# Altium PCB uTCA_MCH_PCB3.pcbdoc (part 8 of 25) (continued)
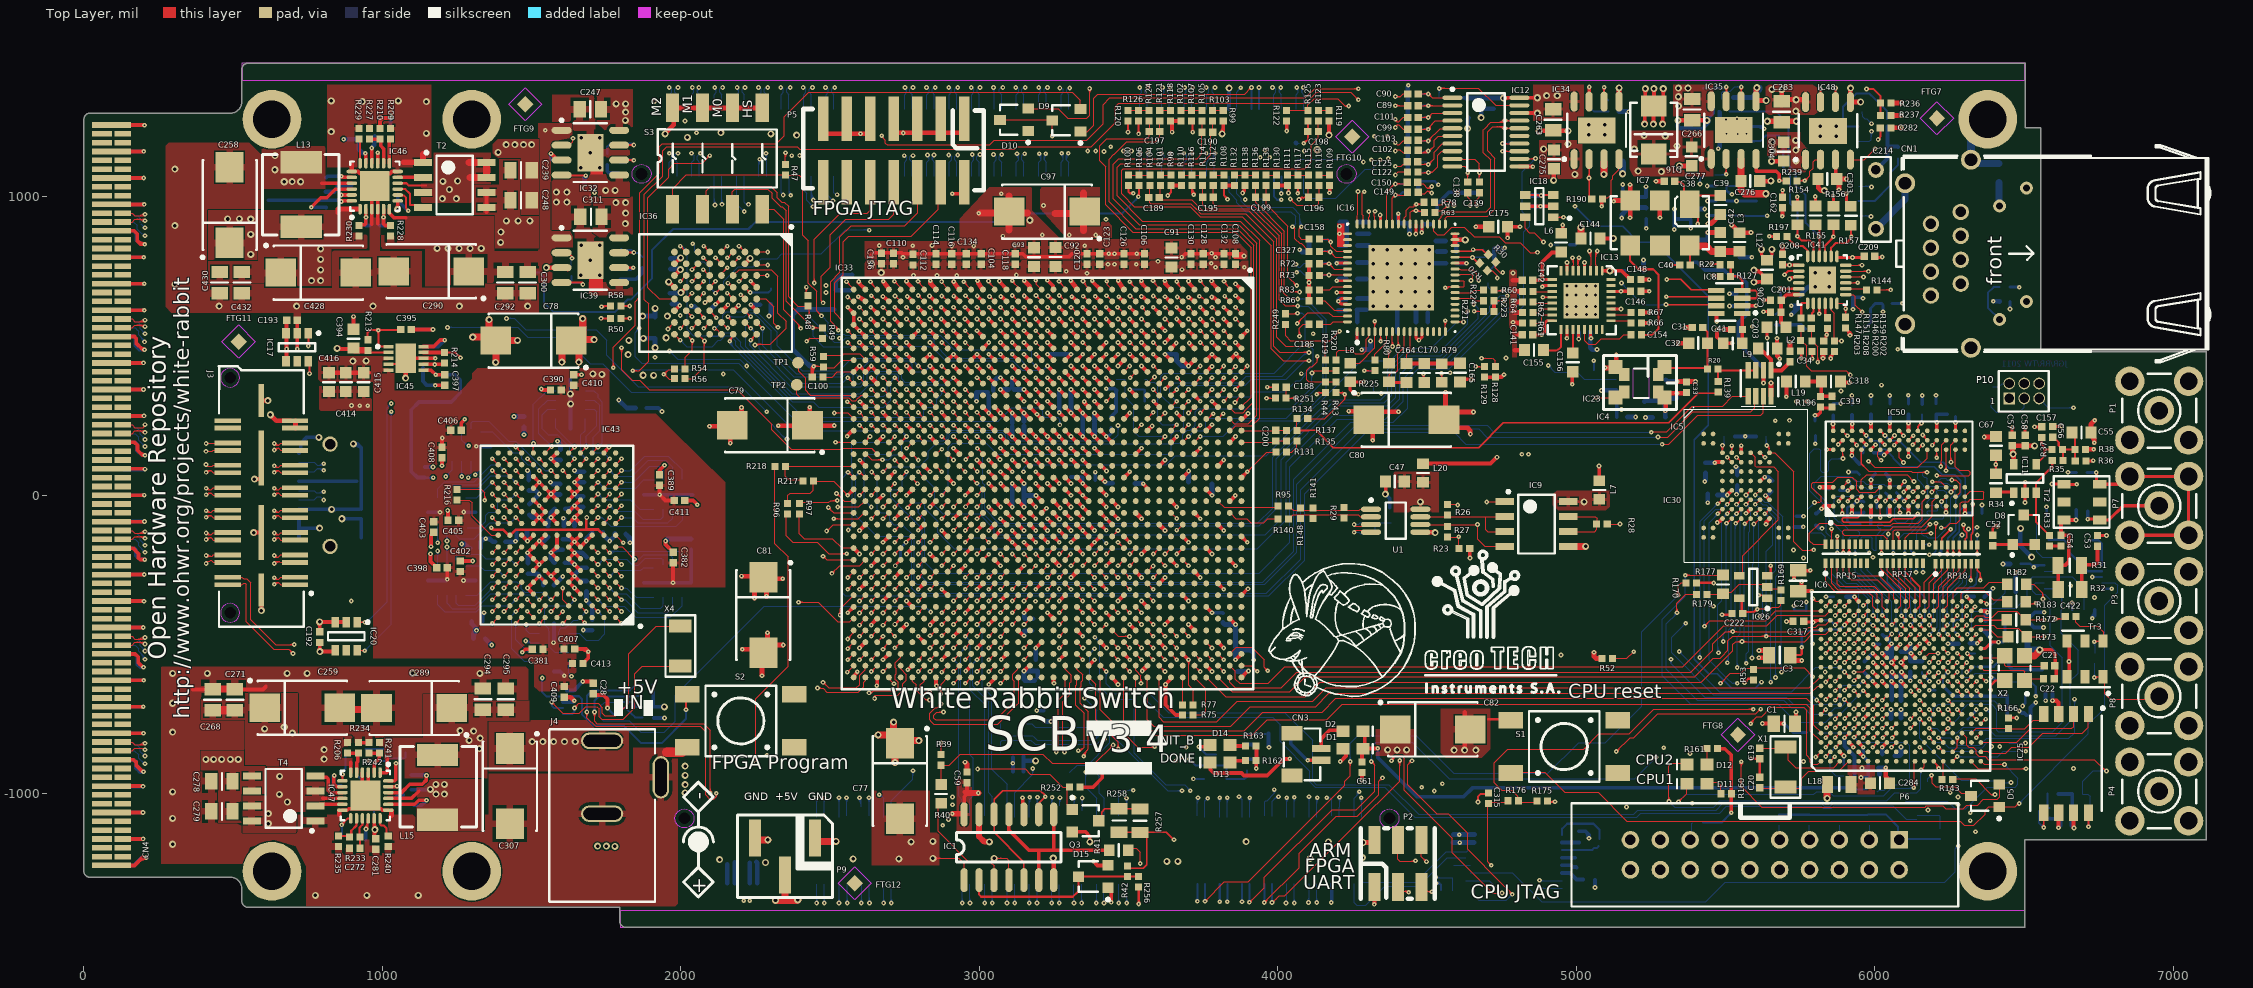
[diagram p0: Top Layer view]
## Nets (pads, with @x,y where several pads share a name; then routed paths per layer and width w, separated by ;. In a path a pad name is that pad's centre, name@x,y a point inside that pad or via, vN(x,y) a via of type N, cw(c..) or ccw(c..) an arc to the next point about the centre after c; other vN are vias at no path point) (continued)
  Bottom Layer w3.94: v1@5524.05,-450.8 ccw(c5524.77,-440.78) 5531.88,-447.89 ; v1@5525.28,-454.49 5531.88,-447.89 ; v1@5529.44,-455.66 cw(c5538.1,-454.11) 5531.88,-447.89 ; v1@5529.49,-98.47 cw(c5523.73,-104.23) 5531.88,-104.23 ; 5531.88,-112.88 cw(c5552.25,-112.88) v1@5537.84,-98.47 ; 5531.88,-103.37 cw(c5542.74,-103.37) v1@5535.06,-95.69 ; v1@5531.88,-95.07 5531.88,-447.89
  other v1: 5533.67,-94.3
EBI1_D4: IC6.B15 IC30.K6 IC33.D34 | length 2744.3
  Top Layer w3.94: IC33.D34@3759.84,-610.24 3824.76,-675.16 4091.38,-675.16 4139.88,-626.65 5418.62,-626.65 5523.62,-521.65 5523.62,-500 5533.46,-490.16 v1(5555.12,-490.16) 5764.84,-490.16 5789,-466 5835.35,-466 IC6.B15@5851.1,-450.25 ; v1@5550.94,-494.33 ccw(c5540.86,-504.41) 5540.86,-490.16 ccw(c5540.86,-475.9) v1@5550.94,-485.98 ; v1@5559.29,-494.33 cw(c5569.38,-504.41) 5569.38,-490.16 cw(c5569.38,-475.9) v1@5559.29,-485.98 ; v1@5564.18,-93.6 ccw(c5564.18,-84.07) 5570.92,-90.81 ; v1@5564.18,-89.66 ccw(c5564.18,-70.63) 5577.64,-84.09 ; v1@5568.13,-93.6 IC30.K6@5583.88,-77.85 ; v1@5570.09,-95.57 cw(c5579.56,-95.57) 5572.86,-88.87
  Bottom Layer w3.94: v1@5557.44,-487.68 5562.39,-482.73 v1@5562.39,-97.56 ; v1@5560,-99.74 cw(c5554.24,-105.5) 5562.39,-105.5 ; 5562.39,-114.15 cw(c5582.76,-114.15) v1@5568.36,-99.74 ; 5562.39,-104.64 cw(c5573.25,-104.64) v1@5565.57,-96.96 ; v1(5564.18,-95.57) v1@5564.18,-95.29
EBI1_D5: IC6.D14 IC30.J7 IC33.G30 | length 3160.8
  Top Layer w3.94: IC33.G30@3641.73,-452.76 v1(3661.42,-472.44) ; v1@3655.51,-472.44 ccw(c3641.25,-472.44) 3651.34,-462.36 ccw(c3661.42,-452.28) v1@3661.42,-466.54 ; v1@5599.98,-61.75 IC30.J7@5615.37,-46.36 ; v1@5600.18,-56.04 ccw(c5600.18,-42.73) 5609.59,-52.14 ; v1@5606.08,-61.95 cw(c5621.29,-61.95) IC30.J7@5610.53,-51.19 ; v1(5898.33,-497.49) IC6.D14@5914.09,-481.75 ; v1@5898.33,-491.59 ccw(c5898.33,-477.33) 5908.42,-487.41 ccw(c5918.5,-497.49) v1@5904.24,-497.49
  MidLayer1 w3.94: v1@3657.24,-476.62 cw(c3647.16,-486.7) 3661.42,-486.7 cw(c3675.67,-486.7) v1@3665.59,-476.62 ; v1(3661.42,-472.44) 3661.42,-491.93 3743.49,-574 3960.02,-574 ; 3960.04,-573.98 3971.46,-573.98 ; 3971.48,-574 5176.49,-574 5344.98,-405.51 5456.7,-405.51 5466.34,-415.15 5603.08,-415.15 ; 5605.53,-412.7 ccw(c5598.01,-405.18) v1@5608.64,-405.18 ; v1@5614.1,-411.07 ccw(c5613.03,-425.1) 5603.08,-415.15 ; v1@5614.55,-404.88 5613.35,-404.88 5603.08,-415.15 ; v1@5616.23,-406.21 cw(c5623.19,-410.47) 5623.19,-402.31 ; v1@5619.59,-408.27 cw(c5630.22,-414.78) 5630.22,-402.31 ; v1@5620.29,-402.31 5630.22,-402.31 ; v1(5898.33,-497.49) 5915,-480.83 5915,-365 5905,-355 5818.42,-355 5783.67,-389.75 5642.78,-389.75 5630.22,-402.31 ; v1@5898.33,-491.59 ccw(c5898.33,-477.33) 5908.42,-487.41 ccw(c5918.5,-497.49) v1@5904.24,-497.49
  Bottom Layer w3.94: v1@5600.18,-67.85 cw(c5600.18,-81.14) 5609.58,-71.75 ; v1@5600.58,-62.75 5611.7,-73.87 5611.7,-308.62 5624.74,-321.66 5624.74,-397.86 ; v1@5606.08,-61.95 ccw(c5621.3,-61.95) 5610.54,-72.71 ; v1@5616.6,-399.64 ccw(c5619.28,-392.4) 5624.74,-397.86 ; v1@5617.09,-405.51 5624.74,-397.86 ; v1@5620.46,-405.18 cw(c5627.78,-405.18) 5622.6,-400
  other v1: 5614.55,-405.18 5600.18,-61.95
EBI1_D6: IC6.C14 IC30.K7 IC33.K28 | length 3401.5
  Top Layer w3.94: IC33.K28@3525.59,-375.98 v1(3543.31,-393.7) ; v1@3537.4,-393.7 ccw(c3523.14,-393.7) 3533.23,-383.62 ccw(c3543.31,-373.54) v1@3543.31,-387.8 ; v1@5594.7,-94.29 ccw(c5594.7,-84.07) 5601.93,-91.29 ; v1@5594.7,-90.35 ccw(c5594.7,-70.62) 5608.65,-84.57 ; v1@5599.63,-93.6 IC30.K7@5615.37,-77.85 ; v1@5600.61,-96.26 cw(c5609.4,-96.26) 5603.18,-90.04 ; v1(5866.85,-497.5) IC6.C14@5882.6,-481.75 ; v1@5866.85,-491.59 ccw(c5866.85,-477.33) 5876.93,-487.41 ccw(c5887.01,-497.5) v1@5872.76,-497.5
  MidLayer1 w3.94: v1@3543.31,-399.61 cw(c3543.31,-413.86) 3553.39,-403.78 cw(c3563.47,-393.7) v1@3549.21,-393.7 ; v1(3543.31,-393.7) 3561.02,-411.42 3561.02,-628.66 3618.23,-685.87 5243.27,-685.87 5370.08,-559.06 5483.5,-559.06 5497.28,-545.28 v1(5588.58,-545.28) 5601.09,-557.78 5728.22,-557.78 5772.65,-513.35 5851,-513.35 v1(5866.85,-497.5) ; v1@5584.41,-549.45 ccw(c5574.33,-559.53) 5574.33,-545.28 ccw(c5574.33,-531.02) v1@5584.41,-541.1 ; v1@5588.58,-551.18 cw(c5588.58,-565.44) 5598.66,-555.36 cw(c5608.75,-545.28) v1@5594.49,-545.28 ; v1@5860.94,-497.5 cw(c5846.69,-497.5) 5856.77,-507.58 cw(c5866.85,-517.66) v1@5866.85,-503.4
  Bottom Layer w3.94: v1@5584.41,-541.1 ccw(c5569.82,-526.51) 5590.45,-526.51 ; v1@5587.19,-543.88 ccw(c5579.32,-536.02) 5590.45,-536.02 ; v1(5588.58,-545.28) 5590.45,-543.41 5590.45,-230.98 5594.84,-226.59 5594.84,-110.47 5594.72,-110.35 ; 5590.45,-535.53 ccw(c5598.33,-535.53) v1@5592.76,-541.1 ; v1@5590.57,-100.48 cw(c5580.9,-110.35) 5594.72,-110.35 ; v1@5594.72,-94.18 5594.72,-110.35 ; v1@5598.85,-100.46 ccw(c5608.62,-110.35) 5594.72,-110.35
  other v1: 5594.7,-96.26
EBI1_D7: IC6.A15 IC30.J8 IC33.C34 | length 2720.4
  Top Layer w3.94: IC33.C34@3799.21,-610.24 3847.72,-658.74 4040.28,-658.74 4090.94,-608.07 5396.65,-608.07 5458.66,-546.06 5481.5,-546.06 5488.19,-539.37 ; 5488.19,-539.29 5507.87,-519.61 5507.87,-488.19 5524.06,-472 v1(5636,-472) ; v1@5631.82,-476.18 ccw(c5621.74,-486.26) 5621.74,-472 ccw(c5621.74,-457.74) v1@5631.82,-467.82 ; v1@5631.87,-62.85 v1(5631.12,-62.1) IC30.J8@5646.87,-46.36 ; v1@5631.87,-56.95 ccw(c5631.87,-46.3) 5639.4,-53.83 ; v1@5633.1,-474.9 v1(5636,-472) ; v1@5637.77,-62.85 cw(c5655.64,-62.85) IC30.J8@5643.01,-50.22 ; v1@5640.18,-476.18 cw(c5650.26,-486.26) 5650.26,-472 cw(c5650.26,-457.74) v1@5640.18,-467.82 ; IC6.A15@5819.61,-450.25 5788.75,-450.25 5767,-472 v1(5636,-472)
  Bottom Layer w3.94: v1@5631.82,-467.82 ccw(c5622.16,-458.16) 5635.83,-458.16 ; v1@5631.87,-68.76 cw(c5631.87,-91.38) 5647.86,-75.38 ; v1@5631.87,-64.82 cw(c5631.87,-77.94) 5641.14,-68.66 ; 5635.83,-457.32 ccw(c5650.68,-457.32) v1@5640.18,-467.82 ; v1(5636,-472) 5635.83,-471.83 5635.83,-187.44 5657.2,-166.07 ; v1@5636.91,-64.43 5657.3,-84.82 5657.3,-166.59 ; v1@5637.77,-62.85 ccw(c5643.67,-62.85) 5639.5,-67.02
EBI1_D8: IC6.B14 IC30.H3 IC33.J32 | length 3252.7
  Top Layer w3.94: IC33.J32@3562.99,-531.5 v1(3582.68,-551.18) ; v1@3576.77,-551.18 ccw(c3562.51,-551.18) 3572.6,-541.1 ccw(c3582.68,-531.02) v1@3582.68,-545.28 ; v1@5473.64,-26.67 ccw(c5473.64,-17.16) 5480.36,-23.89 ; v1@5473.64,-22.73 ccw(c5473.64,-3.72) IC30.H3@5487.08,-17.17 ; v1@5475.61,-28.64 IC30.H3@5489.39,-14.86 ; v1@5479.55,-28.64 cw(c5489.05,-28.64) 5482.33,-21.92 ; v1(5835.34,-497.49) IC6.B14@5851.1,-481.75 ; v1@5835.34,-491.59 ccw(c5835.34,-477.33) 5845.42,-487.41 ccw(c5855.51,-497.49) v1@5841.25,-497.49
  MidLayer1 w3.94: v1@3578.5,-555.36 cw(c3568.42,-565.44) 3582.68,-565.44 cw(c3596.93,-565.44) v1@3586.85,-555.36 ; v1(3582.68,-551.18) 3582.68,-623.15 3630.28,-670.75 5232.8,-670.75 5360.24,-543.31 v1(5413.39,-543.31) 5486.22,-543.31 5507.73,-521.8 5582.2,-521.8 5600,-504 5664,-504 5690.78,-477.22 5815.07,-477.22 v1(5835.34,-497.49) ; v1@5409.21,-547.48 ccw(c5399.13,-557.56) 5399.13,-543.31 ccw(c5399.13,-529.05) v1@5409.21,-539.13 ; v1@5417.56,-547.48 cw(c5427.64,-557.56) 5427.64,-543.31 cw(c5427.64,-529.05) v1@5417.56,-539.13 ; v1@5829.44,-497.49 ccw(c5815.18,-497.49) 5825.26,-487.41 ccw(c5835.34,-477.33) v1@5835.34,-491.59
  Bottom Layer w3.94: v1@5409.21,-539.13 ccw(c5396.75,-526.67) 5414.37,-526.67 ; v1@5414.37,-542.32 5414.37,-86.85 v1@5474.98,-26.24 ; 5414.37,-531.43 ccw(c5425.27,-531.43) v1@5417.56,-539.13 ; 5461.74,-39.47 cw(c5473.64,-51.37) v1@5473.64,-34.54 ; 5464.31,-36.91 ccw(c5456.04,-28.64) v1@5467.73,-28.64
  other v1: 5473.64,-28.64
EBI1_D9: IC6.D13 IC30.J3 IC33.M32 | length 3673.8
  Top Layer w3.94: IC33.M32@3444.88,-531.5 v1(3464.57,-551.18) ; v1@3458.66,-551.18 ccw(c3444.4,-551.18) 3454.49,-541.1 ccw(c3464.57,-531.02) v1@3464.57,-545.28 ; v1(5473.64,-62.1) IC30.J3@5489.39,-46.36 ; v1@5473.64,-56.2 ccw(c5473.64,-41.94) 5483.72,-52.02 ccw(c5493.8,-62.1) v1@5479.55,-62.1 ; v1(5898.33,-528.99) IC6.D13@5914.09,-513.24 ; v1@5898.33,-523.09 ccw(c5898.33,-508.83) 5908.42,-518.91 ccw(c5918.5,-528.99) v1@5904.24,-528.99
  MidLayer1 w3.94: v1@3460.39,-555.36 cw(c3455.06,-560.69) 3462.6,-560.69 cw(c3474.07,-560.69) v1@3465.96,-552.57 ; 3462.6,-570.19 cw(c3483.58,-570.19) v1@3468.74,-555.36 ; v1@3462.6,-549.21 3462.6,-602.36 3484.25,-624.02 3484.25,-663.39 3560.47,-739.61 3585.08,-764.21 5286.97,-764.21 5436.2,-614.98 5526.4,-614.98 v1@5539.36,-627.94 ; 5527.88,-616.46 cw(c5514.42,-629.92) v1@5533.45,-629.92 ; 5532.65,-621.24 ccw(c5539.36,-614.53) v1@5539.36,-624.01 ; 5534.6,-623.18 cw(c5527.86,-629.92) v1@5537.39,-629.92 ; v1@5539.36,-635.83 cw(c5539.36,-650.08) 5549.44,-640 cw(c5559.52,-629.92) v1@5545.26,-629.92 ; v1(5539.36,-629.92) 5557.44,-648 5832.94,-648 5852,-628.94 5852,-616 5890,-578 5903,-578 5914,-567 5914,-544.66 v1(5898.33,-528.99) ; v1@5898.33,-534.9 cw(c5898.33,-549.15) 5908.42,-539.07 cw(c5918.5,-528.99) v1@5904.24,-528.99
  Bottom Layer w3.94: 5462.53,-74.67 ccw(c5449.96,-62.1) v1@5467.73,-62.1 ; 5466.04,-71.16 cw(c5473.64,-78.75) v1@5473.64,-68.01 ; v1@5474.1,-63.1 5444.88,-92.32 5444.88,-553.15 5506.31,-614.58 ; 5506.31,-614.66 5521.57,-629.92 v1(5539.36,-629.92) ; v1@5535.18,-634.1 ccw(c5525.1,-644.17) 5525.1,-629.92 ccw(c5525.1,-615.66) v1@5535.18,-625.74
EBI1_D10: IC6.C13 IC30.H5 IC33.K32 | length 3382.1
  Top Layer w3.94: IC33.K32@3523.62,-531.5 v1(3543.31,-551.18) ; v1@3537.4,-551.18 ccw(c3523.14,-551.18) 3533.23,-541.1 ccw(c3543.31,-531.02) v1@3543.31,-545.28 ; v1(5536.63,-30.61) IC30.H5@5552.38,-14.86 ; v1@5536.63,-24.7 ccw(c5536.63,-10.45) 5546.71,-20.53 ccw(c5556.8,-30.61) v1@5542.54,-30.61 ; v1@5866.85,-528.99 IC6.C13@5882.6,-513.24 ; v1@5866.84,-523.09 ccw(c5866.84,-508.8) 5876.94,-518.9 ; v1@5872.74,-528.99 cw(c5886.97,-528.99) 5876.91,-518.93
  MidLayer1 w3.94: 3529.87,-562.65 cw(c3543.31,-576.1) v1@3543.31,-557.09 ; 3534.62,-557.9 ccw(c3527.9,-551.18) v1@3537.4,-551.18 ; 3536.59,-555.93 cw(c3543.31,-562.65) v1@3543.31,-553.15 ; v1@3541.34,-551.18 3523.62,-568.9 3523.62,-637.8 3602.68,-716.85 5265.43,-716.85 5341.51,-640.77 5397.11,-585.18 5530.96,-585.18 ; v1@5533.52,-577.58 cw(c5524.59,-578.81) 5530.96,-585.18 ; v1@5538.56,-582.62 ccw(c5537.34,-591.55) 5530.96,-585.18 ; v1@5543.55,-580.95 cw(c5553.63,-591.03) 5553.63,-576.77 cw(c5553.63,-562.51) v1@5543.55,-572.6 ; v1@5860.93,-528.99 cw(c5846.68,-528.99) 5856.76,-539.07 cw(c5866.84,-549.15) v1@5866.84,-534.9 ; v1(5866.84,-528.99) 5846.41,-549.41 5827.59,-549.41 5800.23,-576.77 v1(5539.37,-576.77) 5530.96,-585.18
  Bottom Layer w3.94: v1@5535.19,-572.6 ccw(c5525.11,-562.51) 5539.37,-562.51 ccw(c5553.63,-562.51) v1@5543.55,-572.6 ; v1@5536.63,-36.51 cw(c5536.63,-50.77) 5546.71,-40.69 cw(c5556.8,-30.61) v1@5542.54,-30.61 ; v1(5536.63,-30.61) 5553.17,-47.15 5553.17,-77.56 5548.56,-82.17 5548.56,-464.69 5539.37,-473.88 v1(5539.37,-576.77)
EBI1_D11: IC6.E13 IC30.J5 IC33.J29 | length 3366.2
  Top Layer w3.94: IC33.J29@3562.99,-413.39 v1(3582.68,-433.07) ; v1@3576.77,-433.07 ccw(c3562.51,-433.07) 3572.6,-422.99 ccw(c3582.68,-412.91) v1@3582.68,-427.17 ; v1(5536.62,-62.1) IC30.J5@5552.37,-46.36 ; v1@5536.62,-56.2 ccw(c5536.62,-41.94) 5546.7,-52.02 ccw(c5556.78,-62.1) v1@5542.53,-62.1 ; v1(5929.84,-528.99) IC6.E13@5945.59,-513.24 ; v1@5929.84,-523.09 ccw(c5929.84,-508.83) 5939.92,-518.91 ccw(c5950.01,-528.99) v1@5935.75,-528.99
  MidLayer3 w3.94: v1@3580.71,-431.1 v1(3582.68,-433.07) 3604.33,-454.72 3604.33,-553.15 3622.44,-571.26 3630.71,-571.26 3643.7,-584.25 3643.7,-602.36 3663.43,-622.09 5444.84,-622.09 v1(5505.91,-561.02) 5538.93,-528 5561,-528 5587,-502 5674,-502 5685,-491 5764,-491 5786,-513 5913.85,-513 v1(5929.84,-528.99) ; v1@3582.68,-438.98 cw(c3582.68,-453.23) 3592.76,-443.15 cw(c3602.84,-433.07) v1@3588.58,-433.07 ; v1@5500,-561.02 cw(c5485.74,-561.02) 5495.82,-571.1 cw(c5505.91,-581.19) v1@5505.91,-566.93 ; v1@5505.91,-555.12 ccw(c5505.91,-540.86) 5515.99,-550.94 ccw(c5526.07,-561.02) v1@5511.81,-561.02 ; v1@5923.94,-528.99 ccw(c5909.68,-528.99) 5919.76,-518.91 ccw(c5929.84,-508.83) v1@5929.84,-523.09
  Bottom Layer w3.94: v1@5501.73,-556.85 ccw(c5482.14,-537.26) 5509.84,-537.26 ; v1@5504.51,-559.63 ccw(c5491.65,-546.77) 5509.84,-546.77 ; v1(5505.91,-561.02) 5509.84,-557.09 5509.84,-450.99 5518.22,-442.61 5518.22,-81.34 v1@5537.52,-62.04 ; 5525.95,-73.61 ccw(c5514.44,-62.1) v1@5530.72,-62.1 ; 5527.96,-71.6 cw(c5536.62,-80.25) v1@5536.62,-68.01
EBI1_D12: IC6.B13 IC30.H6 IC33.K33 | length 3241.8
  Top Layer w3.94: IC33.K33@3523.62,-570.87 3523.62,-586.61 3541.34,-604.33 v1(3541.34,-629.92) ; v1@3537.16,-625.75 ccw(c3527.08,-615.66) 3541.34,-615.66 ccw(c3555.6,-615.66) v1@3545.51,-625.75 ; v1(5568.13,-30.61) IC30.H6@5583.88,-14.86 ; v1@5568.13,-24.7 ccw(c5568.13,-10.45) 5578.21,-20.53 ccw(c5588.29,-30.61) v1@5574.03,-30.61 ; v1(5835.35,-528.99) IC6.B13@5851.1,-513.24 ; v1@5835.35,-523.09 ccw(c5835.35,-508.83) 5845.44,-518.91 ccw(c5855.52,-528.99) v1@5841.26,-528.99
  MidLayer1 w3.94: v1@3541.34,-635.83 cw(c3541.34,-650.08) 3551.42,-640 cw(c3561.5,-629.92) v1@3547.24,-629.92 ; v1@3547.24,-631.89 3547.24,-635.83 3611.54,-700.12 5254.61,-700.12 5378.76,-575.96 5512.09,-575.96 5526.23,-561.83 v1@5567.73,-561.83 ; 5551.83,-561.83 cw(c5551.83,-580.05) v1@5564.71,-567.17 ; 5557.43,-561.83 ccw(c5557.43,-551.54) v1@5564.71,-558.82 ; v1(5568.89,-562.99) 5580.2,-562.99 ; v1@5573.73,-566.37 cw(c5580.2,-570.87) 5580.2,-562.99 ; v1@5573.73,-559.62 ccw(c5580.2,-555.12) 5580.2,-562.99 ; v1@5831.18,-533.17 ccw(c5821.1,-543.25) 5821.1,-528.99 ccw(c5821.1,-514.74) v1@5831.18,-524.82 ; v1(5835.35,-528.99) 5814,-528.99 5775.21,-567.78 5584.98,-567.78 5580.2,-562.99
  Bottom Layer w3.94: v1@5564.71,-558.82 ccw(c5554.63,-548.73) 5568.89,-548.73 ccw(c5583.14,-548.73) v1@5573.06,-558.82 ; v1@5568.13,-36.51 cw(c5568.13,-53.81) 5580.36,-41.58 ; v1(5568.89,-562.99) 5568.89,-530.33 5576.69,-522.52 5576.69,-124.03 5580.02,-120.7 5580.02,-73.6 5583.6,-70.02 5583.6,-44.82 v1@5569.86,-31.08 ; v1@5574.03,-30.61 ccw(c5585.25,-30.61) 5577.32,-38.54
EBI1_D13: IC6.E12 IC30.G6 IC33.K29 | length 3540.6
  Top Layer w3.94: IC33.K29@3523.62,-413.39 v1(3543.31,-433.07) ; v1@3537.4,-433.07 ccw(c3523.14,-433.07) 3533.23,-422.99 ccw(c3543.31,-412.91) v1@3543.31,-427.17 ; v1(5568.12,0.89) IC30.G6@5583.87,16.64 ; v1@5568.12,6.79 ccw(c5568.12,21.05) 5578.2,10.97 ccw(c5588.28,0.89) v1@5574.02,0.89 ; v1(5929.84,-560.49) IC6.E12@5945.59,-544.74 ; v1@5929.84,-554.58 ccw(c5929.84,-540.33) 5939.92,-550.41 ccw(c5950.01,-560.49) v1@5935.75,-560.49
  MidLayer3 w3.94: v1@3543.31,-438.98 cw(c3543.31,-453.23) 3553.39,-443.15 cw(c3563.47,-433.07) v1@3549.21,-433.07 ; v1(3543.31,-433.07) 3562.99,-452.76 3562.99,-553.66 3656.16,-646.83 5435.87,-646.83 5472.47,-610.24 v1(5667.31,-610.24) 5749.77,-610.24 5816,-544 5913.35,-544 v1(5929.84,-560.49) ; v1@5663.14,-614.41 ccw(c5653.05,-624.49) 5653.05,-610.24 ccw(c5653.05,-595.98) v1@5663.14,-606.06 ; v1@5671.49,-614.41 cw(c5681.57,-624.49) 5681.57,-610.24 cw(c5681.57,-595.98) v1@5671.49,-606.06 ; v1@5923.94,-560.49 ccw(c5909.68,-560.49) 5919.76,-550.41 ccw(c5929.84,-540.33) v1@5929.84,-554.58
  Bottom Layer w3.94: v1@5568.12,-5.02 cw(c5568.12,-19.3) 5578.22,-9.2 ; v1(5568.12,0.89) 5583.88,-14.86 5607.05,-14.86 5624.5,-32.31 5636.37,-32.31 5679.79,-75.73 5679.79,-260.74 5667.31,-273.22 v1(5667.31,-610.24) ; v1@5574.02,0.89 ccw(c5588.25,0.89) 5578.19,-9.17 ; v1@5663.14,-606.06 ccw(c5653.05,-595.98) 5667.31,-595.98 ccw(c5681.57,-595.98) v1@5671.49,-606.06
EBI1_D14: IC6.D12 IC30.H7 IC33.K31 | length 3589.2
  Top Layer w3.94: IC33.K31@3523.62,-492.13 v1(3543.31,-511.81) ; v1@3537.4,-511.81 ccw(c3523.14,-511.81) 3533.23,-501.73 ccw(c3543.31,-491.65) v1@3543.31,-505.91 ; v1(5599.62,-30.61) IC30.H7@5615.37,-14.86 ; v1(5898.35,-560.49) IC6.D12@5914.09,-544.74 ; v1@5898.35,-554.58 ccw(c5898.35,-540.33) 5908.43,-550.41 ccw(c5918.51,-560.49) v1@5904.25,-560.49
  MidLayer1 w3.94: v1@3537.4,-511.81 cw(c3523.14,-511.81) 3533.23,-521.89 cw(c3543.31,-531.97) v1@3543.31,-517.72 ; v1(3543.31,-511.81) 3523.62,-531.5 3490.16,-531.5 3482.28,-539.37 3482.28,-590.55 3496.06,-604.33 3496.06,-649.61 3595.59,-749.13 5278.43,-749.13 5421.79,-605.77 5631.35,-605.77 v1(5651.56,-625.98) 5802.02,-625.98 5821,-607 5841,-607 5887.51,-560.49 ; v1@5645.66,-625.98 ccw(c5631.4,-625.98) 5641.48,-615.9 ccw(c5651.56,-605.82) v1@5651.56,-620.08 ; v1@5655.74,-630.16 cw(c5665.82,-640.24) 5665.82,-625.98 cw(c5665.82,-611.73) v1@5655.74,-621.81 ; v1@5893.38,-563.69 ccw(c5887.51,-567.47) 5887.51,-560.49 ; v1@5893.38,-557.29 cw(c5887.51,-553.5) 5887.51,-560.49 ; v1(5898.35,-560.49) 5887.51,-560.49
  Bottom Layer w3.94: v1(5599.62,-30.61) 5612.28,-43.26 5632.56,-43.26 5668.03,-78.73 5668.03,-251.18 ; v1@5647.39,-621.81 ccw(c5637.31,-611.73) 5651.56,-611.73 ccw(c5665.82,-611.73) v1@5655.74,-621.81 ; v1(5651.56,-625.98) 5651.56,-268.18 5667.95,-251.79
EBI1_D15: IC6.C12 IC30.G7 IC33.L33 | length 3402
  Top Layer w3.94: IC33.L33@3484.25,-570.87 v1(3503.94,-590.55) ; v1@3498.03,-590.55 ccw(c3483.77,-590.55) 3493.86,-580.47 ccw(c3503.94,-570.39) v1@3503.94,-584.65 ; v1(5599.62,0.89) IC30.G7@5615.37,16.64 ; v1(5866.85,-560.49) IC6.C12@5882.6,-544.74 ; v1@5866.85,-554.58 ccw(c5866.85,-540.33) 5876.93,-550.41 ccw(c5887.01,-560.49) v1@5872.76,-560.49
  MidLayer1 w3.94: v1@3501.97,-590.55 3501.97,-594.49 3511.81,-604.33 ; v1@3505.77,-591.28 ccw(c3513.37,-594.31) 3507.58,-600.1 ; v1@3509.42,-592.74 ccw(c3519.42,-596.72) 3511.81,-604.33 ; 5667.98,-594.49 ccw(c5667.98,-573.51) v1@5682.82,-588.34 ; v1@5682.82,-596.69 ccw(c5677.49,-602.02) 5677.49,-594.49 ccw(c5677.49,-583.01) v1@5685.6,-591.13 ; v1(5687,-592.52) 5800.48,-592.52 5832.51,-560.49 v1(5866.85,-560.49) ; v1@5688.98,-594.49 5411.42,-594.49 5273.98,-731.93 3598.07,-731.93 3511.81,-645.67 3511.81,-604.33 ; v1@5691.17,-596.69 cw(c5701.25,-606.78) 5701.25,-592.52 cw(c5701.25,-578.26) v1@5691.17,-588.34 ; v1@5862.67,-564.66 ccw(c5852.59,-574.75) 5852.59,-560.49 ccw(c5852.59,-546.23) v1@5862.67,-556.31
  Bottom Layer w3.94: v1@5601.3,1.92 5607.53,-4.31 5612.46,-4.31 5631.09,-22.94 5641.38,-22.94 5690.79,-72.36 5690.79,-281.05 5687,-284.84 v1(5687,-592.52) ; v1@5682.82,-588.34 ccw(c5672.74,-578.26) 5687,-578.26 ccw(c5701.25,-578.26) v1@5691.17,-588.34
EBI1_D16: IC6.E7 IC33.N25 | length 3059.1
  Top Layer w3.94: IC33.N25@3405.51,-255.91 v1(3425.2,-275.59) ; v1@3419.29,-275.59 ccw(c3405.03,-275.59) 3415.12,-265.51 ccw(c3425.2,-255.43) v1@3425.2,-269.69 ; v1@5929.84,-717.97 IC6.E7@5945.59,-702.22 ; v1@5929.83,-714.03 ccw(c5929.83,-704.49) 5936.57,-711.24 ; v1@5929.83,-710.09 ccw(c5929.83,-691.05) IC6.E7@5943.3,-704.52 ; v1@5935.74,-716 cw(c5945.21,-716) 5938.51,-709.3
  MidLayer3 w3.94: 3411.75,-287.06 cw(c3425.2,-300.51) v1@3425.2,-281.5 ; 3416.51,-282.31 ccw(c3409.79,-275.59) v1@3419.29,-275.59 ; 3418.48,-280.34 cw(c3425.2,-287.06) v1@3425.2,-277.56 ; v1@3423.23,-275.59 3405.51,-293.31 3405.51,-545.04 3575.04,-714.57 ; 3575.12,-714.57 3599.77,-739.22 5853.48,-739.22 5879.44,-713.26 5927.09,-713.26 v1(5929.83,-716) ; 5908.96,-713.26 cw(c5908.96,-736.87) v1@5925.65,-720.17 ; 5918.47,-713.26 cw(c5918.47,-727.36) v1@5928.44,-717.39 ; 5922.18,-713.26 ccw(c5922.18,-708.35) v1@5925.65,-711.82
EBI1_D17: IC6.B5 IC33.N30 | length 2750.2
  Top Layer w3.94: IC33.N30@3405.51,-452.76 v1(3425.2,-433.07) ; v1@3419.29,-433.07 cw(c3405.03,-433.07) 3415.12,-443.15 cw(c3425.2,-453.23) v1@3425.2,-438.98 ; v1(5837.31,-778.99) IC6.B5@5851.1,-765.21 ; v1@5837.31,-773.09 ccw(c5837.31,-758.83) 5847.39,-768.91 ccw(c5857.47,-778.99) v1@5843.22,-778.99
  MidLayer2 w3.94: v1@3425.2,-438.98 cw(c3425.2,-453.23) 3435.28,-443.15 cw(c3445.36,-433.07) v1@3431.1,-433.07 ; v1(3425.2,-433.07) 3450.33,-458.21 3450.33,-557.01 3643.2,-749.88 5808.2,-749.88 v1(5837.31,-778.99) ; v1@5831.41,-778.99 ccw(c5817.15,-778.99) 5827.23,-768.91 ccw(c5837.31,-758.83) v1@5837.31,-773.09
EBI1_D18: IC6.D6 IC33.R31 | length 2900.3
  Top Layer w3.94: IC33.R31@3326.77,-492.13 3346.65,-512 v1(3347,-512) ; 3336.31,-501.67 ccw(c3347,-490.98) v1@3347,-506.09 ; 3337.17,-502.52 cw(c3327.69,-512) v1@3341.09,-512 ; v1(5899,-748) 5913.28,-733.72 IC6.D6@5914.09,-733.72 ; v1@5899,-742.09 ccw(c5899,-727.84) 5909.08,-737.92 ccw(c5919.16,-748) v1@5904.91,-748
  MidLayer1 w3.94: v1@3347,-517.91 cw(c3347,-532.16) 3357.08,-522.08 cw(c3367.16,-512) v1@3352.91,-512 ; v1(3347,-512) 3368,-533 3368,-630 3552,-814 5770,-814 5820,-764 5883,-764 v1(5899,-748) ; v1@5893.09,-748 cw(c5878.84,-748) 5888.92,-758.08 cw(c5899,-768.16) v1@5899,-753.91
EBI1_D19: IC6.F7 IC33.M31 | length 2764.9
  Top Layer w3.94: IC33.M31@3444.88,-492.13 v1(3464.57,-511.81) ; v1@3458.66,-511.81 ccw(c3444.4,-511.81) 3454.49,-501.73 ccw(c3464.57,-491.65) v1@3464.57,-505.91 ; v1(5961.34,-717.97) IC6.F7@5977.09,-702.22 ; v1@5961.34,-712.06 ccw(c5961.34,-697.81) 5971.42,-707.89 ccw(c5981.5,-717.97) v1@5967.24,-717.97
  MidLayer2 w3.94: v1@3464.57,-517.72 cw(c3464.57,-531.97) 3474.65,-521.89 cw(c3484.73,-511.81) v1@3470.47,-511.81 ; v1(3464.57,-511.81) 3479.33,-526.57 3479.33,-548.54 3508.54,-577.76 ; 3509.24,-577.76 3670.48,-739 5467.08,-739 5504.31,-701.77 5945.14,-701.77 v1(5961.34,-717.97) ; v1@5955.43,-717.97 ccw(c5941.18,-717.97) 5951.26,-707.89 ccw(c5961.34,-697.81) v1@5961.34,-712.06
EBI1_D20: IC6.A4 IC33.K34 | length 2593.3
  Top Layer w3.94: 3523.62,-689.53 IC33.K34@3523.62,-610.24 ; 3523.66,-686.69 3523.66,-760.79 3551.06,-788.19 3887.64,-788.19 3949.65,-726.18 4148.15,-726.18 4193.66,-680.67 5440.28,-680.67 5440.35,-680.59 5771.06,-680.59 ; 5770.7,-680.35 5794.82,-704.47 5794.82,-769.94 5819.61,-794.73 IC6.A4@5819.61,-796.71
EBI1_D21: IC6.C5 IC33.P26 | length 3137.4
  Top Layer w3.94: IC33.P26@3366.14,-295.28 v1(3385.83,-314.96) ; v1@3379.92,-314.96 ccw(c3365.66,-314.96) 3375.75,-304.88 ccw(c3385.83,-294.8) v1@3385.83,-309.06 ; v1(5866.84,-778.99) 5880.62,-765.21 IC6.C5@5882.6,-765.21 ; v1@5866.84,-773.09 ccw(c5866.84,-758.83) 5876.92,-768.91 ccw(c5887,-778.99) v1@5872.74,-778.99
  MidLayer3 w3.94: 3368.82,-302.01 ccw(c3385.83,-285.01) v1@3385.83,-309.06 ; 3375.54,-308.73 ccw(c3385.83,-298.45) v1@3385.83,-312.99 ; v1@3380.51,-313.7 3363.39,-296.57 3345.71,-296.57 3303.39,-338.9 3303.39,-558.27 3541.97,-796.85 3570.47,-796.85 ; 3570.87,-797.24 5848.58,-797.24 v1(5866.84,-778.99) ; v1@5860.93,-778.99 cw(c5846.68,-778.99) 5856.76,-789.07 cw(c5866.84,-799.15) v1@5866.84,-784.9
EBI1_D22: IC6.B4 IC33.P27 | length 2920.3
  Top Layer w3.94: IC33.P27@3366.14,-334.65 v1(3385.83,-354.33) ; v1@3379.92,-354.33 ccw(c3365.66,-354.33) 3375.75,-344.25 ccw(c3385.83,-334.17) v1@3385.83,-348.43 ; v1(5835.34,-812.45) IC6.B4@5851.1,-796.71 ; v1@5835.34,-806.55 ccw(c5835.34,-792.29) 5845.42,-802.37 ccw(c5855.51,-812.45) v1@5841.25,-812.45
  MidLayer2 w3.94: v1@3383.86,-354.33 3411.42,-381.89 3411.42,-607.01 3482.99,-678.58 3529.7,-678.58 3630.67,-779.56 5802.44,-779.56 v1(5835.34,-812.45) ; v1@3385.83,-360.24 cw(c3385.83,-369.74) 3392.55,-363.02 ; v1@3387.8,-354.33 ccw(c3397.3,-354.33) 3390.58,-361.05 ; v1@3391.73,-354.33 ccw(c3410.74,-354.33) 3397.3,-367.77 ; v1@5829.44,-812.45 ccw(c5815.18,-812.45) 5825.26,-802.37 ccw(c5835.34,-792.29) v1@5835.34,-806.55
EBI1_D23: IC6.E6 IC33.R27 | length 3052.1
  Top Layer w3.94: IC33.R27@3326.77,-334.65 v1(3346.46,-354.33) ; v1@3340.55,-354.33 ccw(c3326.29,-354.33) 3336.38,-344.25 ccw(c3346.46,-334.17) v1@3346.46,-348.43 ; v1@5929.84,-749.46 IC6.E6@5943.62,-735.68 ; v1@5931.81,-743.56 ccw(c5931.81,-734.05) 5938.53,-740.78 ; v1@5933.78,-749.46 cw(c5943.28,-749.46) 5936.56,-742.74 ; v1@5937.72,-749.46 cw(c5956.73,-749.46) IC6.E6@5943.28,-736.02
  MidLayer3 w3.94: 3337.77,-361.05 ccw(c3331.05,-354.33) v1@3340.55,-354.33 ; v1@3344.49,-354.33 3333.66,-365.16 ; v1@3346.23,-360.23 ccw(c3345.58,-377.08) 3333.66,-365.16 ; v1@5925.91,-749.46 cw(c5911.65,-749.46) 5921.73,-759.55 cw(c5931.81,-769.63) v1@5931.81,-755.37 ; v1(5931.81,-749.46) 5918.28,-763 5822,-763 5806.95,-778.05 3554.66,-778.05 3333.66,-557.05 3333.66,-365.16
EBI1_D24: IC6.D5 IC33.R32 | length 2883.6
  Top Layer w3.94: IC33.R32@3326.77,-531.5 v1(3346.46,-551.18) ; v1@3340.55,-551.18 ccw(c3326.29,-551.18) 3336.38,-541.1 ccw(c3346.46,-531.02) v1@3346.46,-545.28 ; v1(5898.33,-780.96) IC6.D5@5914.09,-765.21 ; v1@5898.33,-775.05 ccw(c5898.33,-760.8) 5908.42,-770.88 ccw(c5918.5,-780.96) v1@5904.24,-780.96
  MidLayer1 w3.94: v1@3342.28,-555.36 cw(c3336.95,-560.69) 3344.49,-560.69 cw(c3355.96,-560.69) v1@3347.85,-552.57 ; 3344.49,-570.19 cw(c3365.47,-570.19) v1@3350.63,-555.36 ; v1@3344.49,-549.21 3344.49,-628.15 3544.17,-827.83 5784.17,-827.83 5816,-796 5883.29,-796 v1(5898.33,-780.96) ; v1@5892.43,-780.96 cw(c5878.17,-780.96) 5888.25,-791.04 cw(c5898.33,-801.12) v1@5898.33,-786.86
EBI1_D25: IC6.A3 IC33.L34 | length 2648.3
  Top Layer w3.94: IC33.L34@3484.25,-610.24 3484.25,-765.59 3523.27,-804.61 3912.36,-804.61 3965.24,-751.73 4164.02,-751.73 4214.96,-700.79 5770.5,-700.79 ; 5770.93,-700.88 5783.44,-713.39 5783.44,-790.26 5819.61,-826.43 IC6.A3@5819.61,-828.2
EBI1_D26: IC6.C4 IC33.P25 | length 3250.9
  Top Layer w3.94: IC33.P25@3366.14,-255.91 v1(3385.83,-275.59) ; v1@3379.92,-275.59 ccw(c3365.66,-275.59) 3375.75,-265.51 ccw(c3385.83,-255.43) v1@3385.83,-269.69 ; v1(5866.84,-812.45) IC6.C4@5882.6,-796.71 ; v1@5866.84,-806.55 ccw(c5866.84,-792.29) 5876.92,-802.37 ccw(c5887,-812.45) v1@5872.74,-812.45
  MidLayer3 w3.94: 3371.06,-262.8 v1@3383.86,-275.59 ; 3371.65,-263.78 3369.69,-261.81 3296.46,-261.81 3285.43,-272.83 3285.43,-573.66 3530.67,-818.9 5795.9,-818.9 5805,-828 5851.29,-828 v1(5866.84,-812.45) ; 3372.39,-264.12 ccw(c3385.83,-250.68) v1@3385.83,-269.69 ; 3377.14,-268.87 cw(c3370.42,-275.59) v1@3379.92,-275.59 ; 3379.11,-270.84 ccw(c3385.83,-264.12) v1@3385.83,-273.62 ; v1@5860.93,-812.45 cw(c5846.68,-812.45) 5856.76,-822.54 cw(c5866.84,-832.62) v1@5866.84,-818.36
EBI1_D27: IC6.A1 IC33.P34 | length 2978.8
  Top Layer w3.94: IC33.P34@3366.14,-610.24 3389.28,-633.37 3389.28,-751.72 3464.84,-827.28 v1(3464.84,-849.84) v1@3464.84,-853.74 ; v1@3460.67,-845.67 ccw(c3450.59,-835.59) 3464.84,-835.59 ccw(c3479.1,-835.59) v1@3469.02,-845.67 ; v1@5584.04,-759.34 ccw(c5584.04,-753.95) 5587.86,-757.76 ; v1@5586.01,-765.25 cw(c5599.62,-765.25) 5590,-755.62 ; v1@5586.31,-765 5586.31,-759.31 5604.32,-741.3 5620.5,-741.3 5651.23,-710.57 5761.74,-710.57 5770.99,-719.82 5770.99,-871.35 5784,-884.36 5784,-895 5791,-902 5808.8,-902 IC6.A1@5819.61,-891.2 ; v1@5589.95,-765.25 cw(c5613.06,-765.25) 5596.72,-748.9
  MidLayer4 w3.94: v1(3464.84,-849.84) 3549.65,-765.04 v1@5585.92,-765.04 ; v1@3464.84,-843.94 ccw(c3464.84,-829.68) 3474.92,-839.76 ccw(c3485.01,-849.84) v1@3470.75,-849.84 ; 5569.27,-765.04 cw(c5569.27,-780.02) v1@5579.86,-769.43 ; 5570.29,-765.04 ccw(c5570.29,-751.5) v1@5579.86,-761.07
  other v1: 5584.04,-765.25